# Altium PCB InsaneKeyboard.PcbDoc (part 3 of 4)
Units mil, origin at the board's own origin, x right, y up, seen from the top; angles counter-clockwise.
Board outline 7442.83 x 6333.68 mil, 2 copper layers (Top Layer, Bottom Layer), stack 61.756 mil thick; 289 components, 175 nets, 928 pads, 1143 vias.
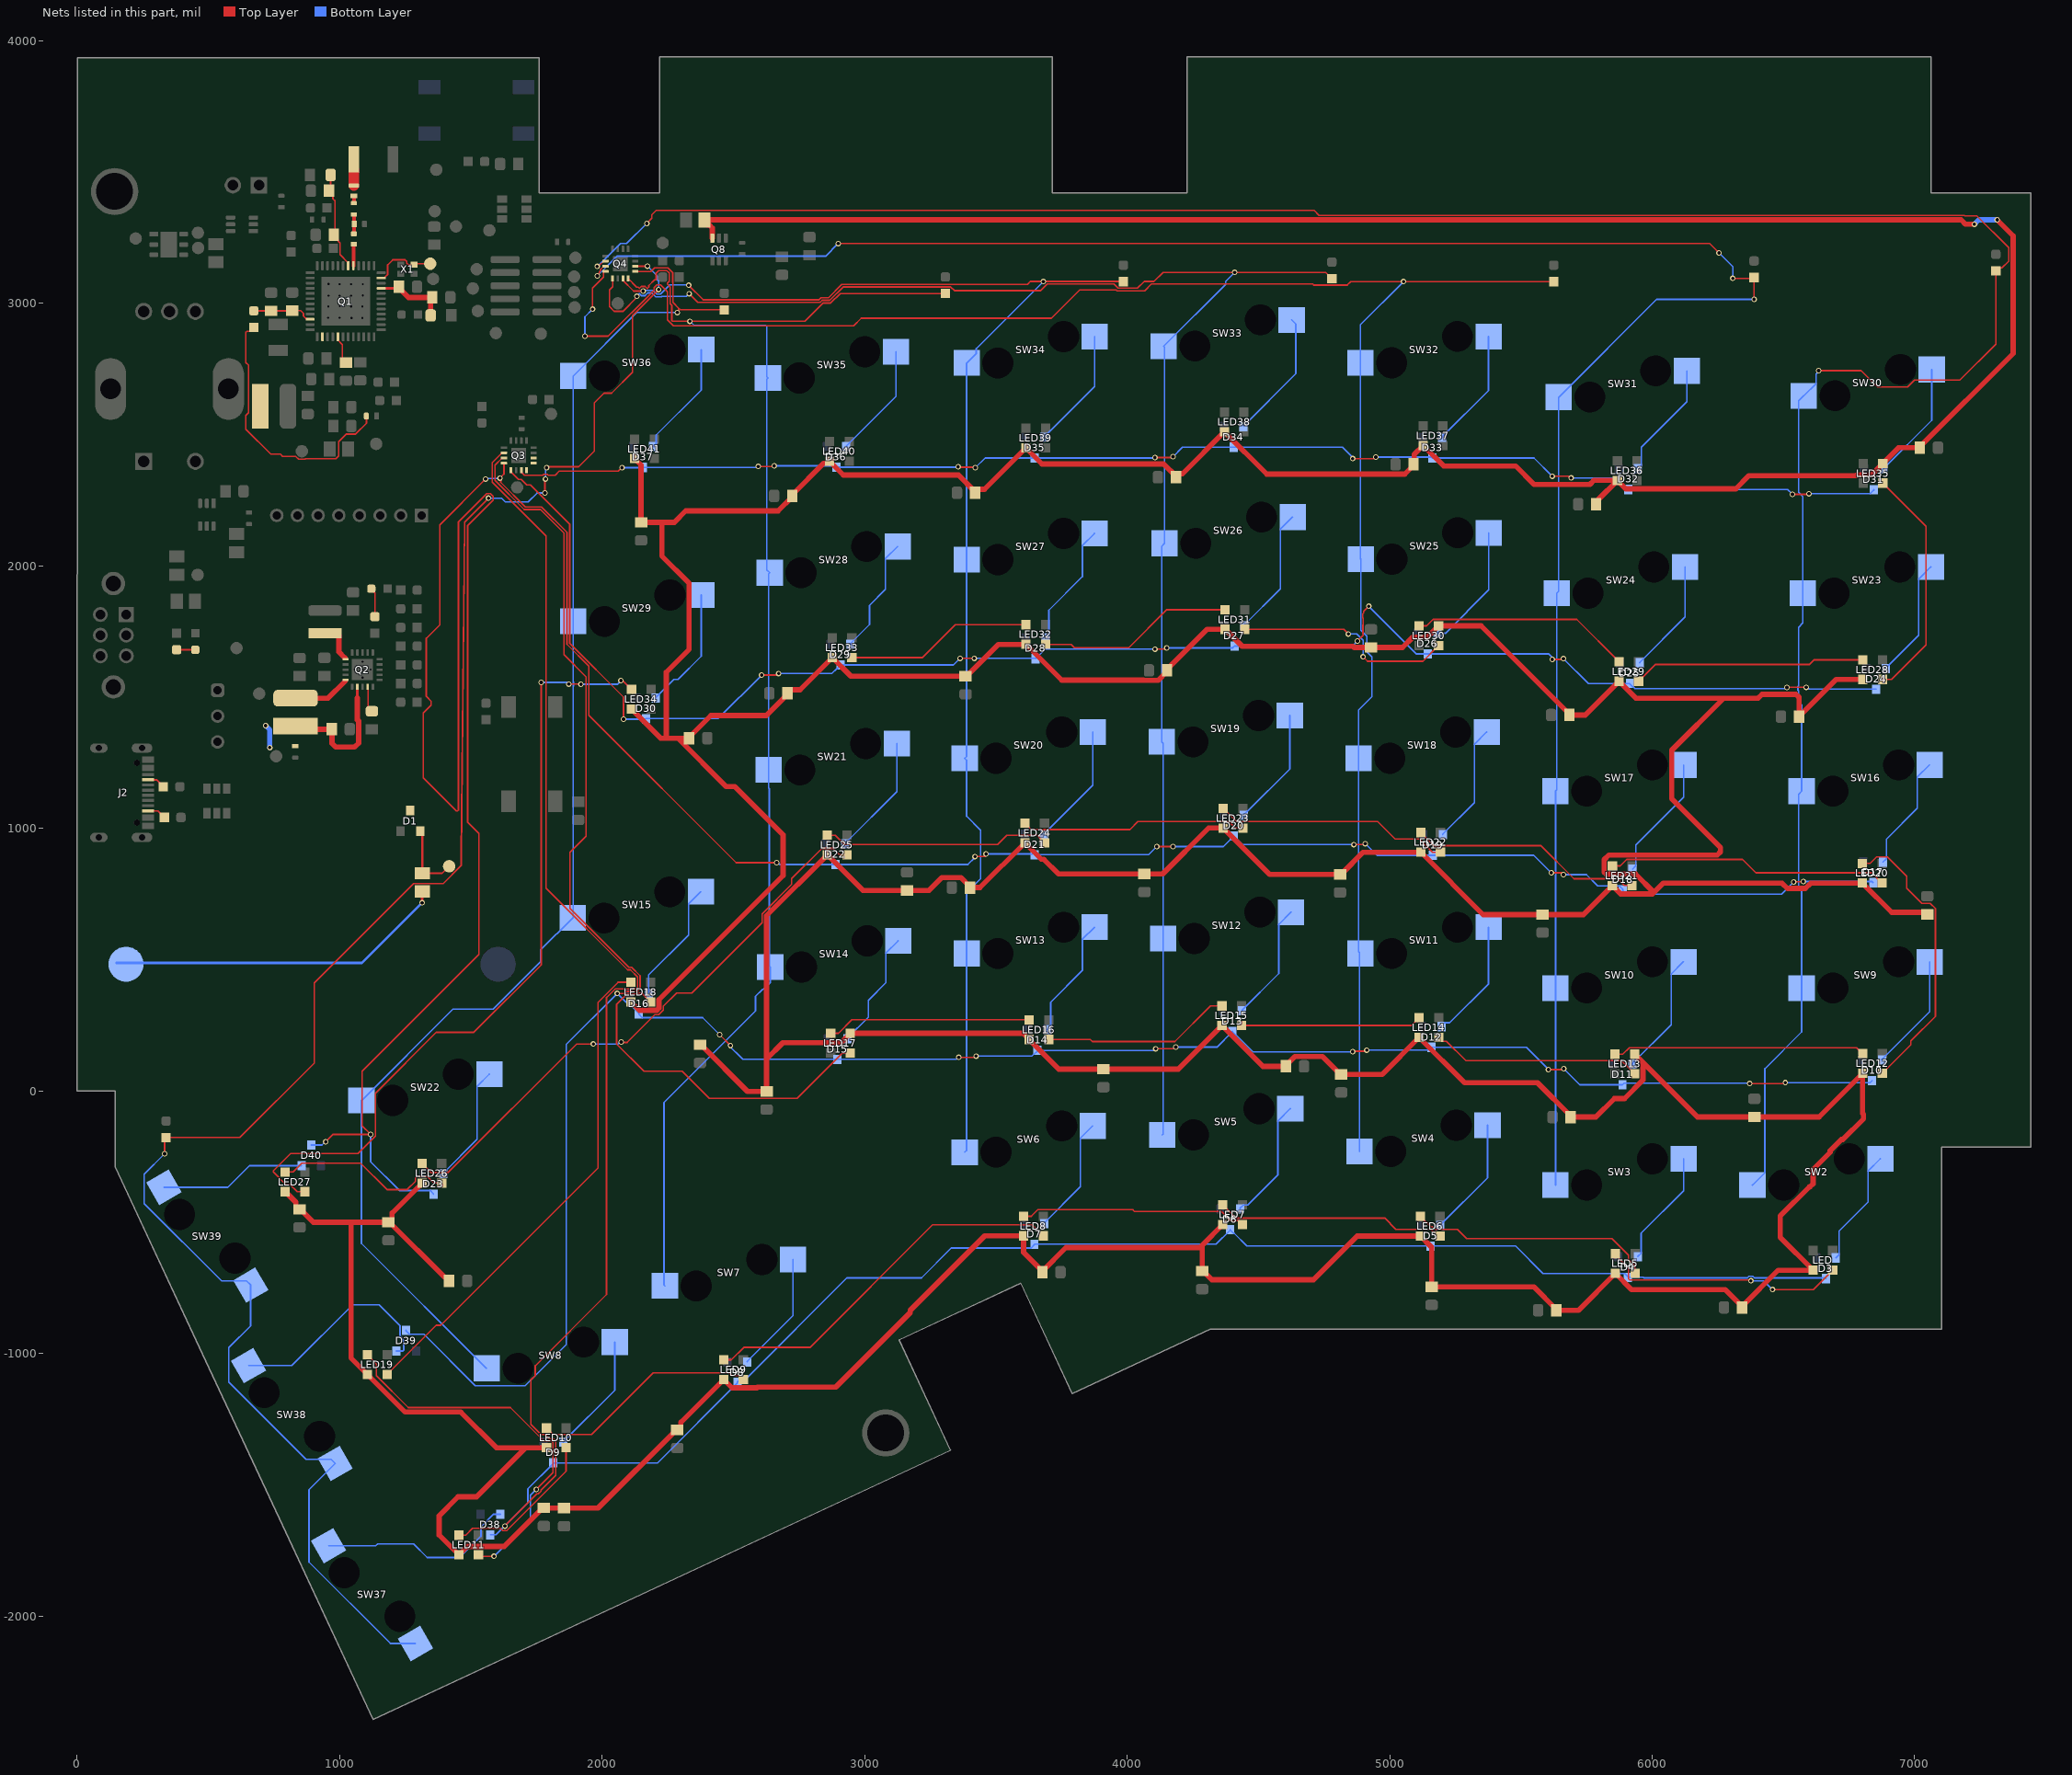
[diagram p3: the nets of this part, all layers, seen from the top]

## Via types
v1: diameter 21, hole 13, Top Layer to Bottom Layer, tented both sides, 1023 vias
v2: diameter 21, hole 13, Top Layer to Bottom Layer, 120 vias

## Nets (pads, with @x,y where several pads share a name; then routed paths per layer and width w, separated by ;. In a path a pad name is that pad's centre, name@x,y a point inside that pad or via, vN(x,y) a via of type N, cw(c..) or ccw(c..) an arc to the next point about the centre after c; other vN are vias at no path point) (continued)
HFXTAL_P: Q1.11 TP3.1 X1.1 | length 239.2
  Top Layer w6: Q1.11@1169.81,3095.69 1184.02,3109.89 1184.02,3145.73 1202.78,3164.5 1250.3,3164.5 1255.95,3158.85 1255.95,3151.65 1261.6,3146 X1.1@1284.1,3146 1288.1,3150 TP3.1@1346,3150
IO_COL_P0: Q4.2 R16.1 SW2.2 SW9.2 SW16.2 SW23.2 SW30.2 | length 9975.7
  Top Layer w6: v1(1981.82,3139.59) 1984.69,3142.46 1989.43,3142.46 2006.81,3159.84 Q4.2@2013.5,3159.84 ; v1(2170.66,3303.31) 2190.08,3322.73 2190.08,3336.39 2206.63,3352.94 4712.69,3352.94 4731.63,3334 7189.04,3334 7191.04,3332 7236.58,3332 7357.72,3210.86 7357.72,3159.72 7332.2,3134.2 7320.7,3134.2 R16.1@7309,3122.5 7309,2844.08 7171.59,2706.67 6998.98,2706.67 6973.28,2680.97 6858.15,2680.97 6796.12,2743 v2(6634,2743)
  Bottom Layer w6: v1(1981.82,3139.59) 1983.18,3139.59 2070.24,3226.64 2093.99,3226.64 v1(2170.66,3303.31) ; SW2.2@6381.91,-358.94 6382.89,-358.94 6429.1,-312.72 6429.1,83.85 6569.41,224.16 SW9.2@6569.41,391.07 6569.41,760.12 6557.5,772.02 6557.5,1129.17 SW16.2@6569.41,1141.07 6569.41,1470.21 6557.5,1482.12 6557.5,1522.75 6555.5,1524.75 6555.5,1539.25 6557.5,1541.25 6557.5,1765.04 6573.98,1781.52 SW23.2@6573.98,1895.03 6573.98,2262.78 6557.5,2279.27 6557.5,2627.54 SW30.2@6576.98,2647.02 6577.97,2647.02 6624.18,2693.24 6624.18,2729.12 6634,2738.94 v2(6634,2743)
IO_COL_P1: Q4.3 R19.1 SW3.2 SW10.2 SW17.2 SW24.2 SW31.2 | length 8580.9
  Top Layer w6: v1(1982.5,3103.75) 1982.5,3107.81 1990,3115.31 1990,3118.69 1994.69,3123.38 1994.69,3127.74 1996.42,3129.47 1996.42,3129.77 2006.81,3140.16 Q4.3@2013.5,3140.16 ; v1(2899.73,3226.62) 6218.91,3226.62 v1(6254.52,3191) ; v1(6307,3094) 6384.5,3094 R19.1@6388,3097.5 v2(6388,3014)
  Bottom Layer w6: v1(1982.5,3103.75) 2057.25,3178.5 2851.61,3178.5 v1(2899.73,3226.62) ; SW3.2@5631.9,-358.94 SW10.2@5631.9,391.07 5631.9,821.15 5633.5,822.75 5633.5,837.25 5631.9,838.85 SW17.2@5631.9,1141.07 5636.98,1146.15 SW24.2@5636.98,1895.03 5643.98,1902.03 SW31.2@5643.98,2642.03 5644.97,2642.03 6016.94,3014 v2(6388,3014) ; v1(6254.52,3191) 6307,3138.52 v1(6307,3094)
IO_COL_P2: Q4.4 R20.1 SW4.2 SW11.2 SW18.2 SW25.2 SW32.2 | length 7681.9
  Top Layer w6: v2(1935,2874) 2023.89,2874 2198.4,3048.51 2198.4,3058.65 2208.65,3068.9 2223.15,3068.9 2249.42,3042.62 2249.42,2936.69 2272.61,2913.5 2958.75,2913.5 2987.75,2942.5 3712.25,2942.5 3819.48,3049.74 3958.29,3049.74 3961.24,3046.79 4067.04,3046.79 4092.75,3072.5 4707.25,3072.5 4710.96,3068.79 4839.04,3068.79 4851.76,3081.5 R20.1@5625,3081.5 ; v2(1964.12,2977) 1964.12,3057.37 2005.97,3099.23 2005.97,3118.35 2008.09,3120.47 Q4.4@2013.5,3120.47
  Bottom Layer w6: v2(1935,2874) 1935,2947.88 v2(1964.12,2977) ; SW4.2@4884.98,-230.97 4884.98,525.99 4885.43,526.44 4881.9,529.98 SW18.2@4881.9,1266.08 4881.9,1450.37 4932.5,1500.97 4932.5,1652.64 4913.17,1671.97 4913.17,1731.27 4889.98,1754.46 SW25.2@4889.98,2025.03 4888.97,2026.04 SW32.2@4888.97,2772.92 4888.97,2917.97 v2(5053,3082)
IO_COL_P3: Q4.5 R21.1 SW5.2 SW12.2 SW19.2 SW26.2 SW33.2 | length 6421.3
  Top Layer w6: Q4.5@2040.47,3093.5 2040.47,3062.21 2028.5,3050.24 2028.5,2987.19 2047.32,2968.38 2079.38,2968.38 2133,3022 v2(2133,3026) ; v2(2332,3036) 2365.22,3002.78 2831.18,3002.78 2838.9,3010.5 2867.18,3010.5 2917.91,3061.22 3328.62,3061.22 3341.96,3047.87 3671.62,3047.87 3696.25,3072.5 3949.67,3072.5 3965.38,3056.79 4039.7,3056.79 4065.41,3082.5 4102.75,3082.5 4137.25,3117 4756.5,3117 R21.1@4780,3093.5
  Bottom Layer w6: v2(2133,3026) 2142.63,3035.63 2149.75,3028.5 2164.25,3028.5 2174.5,3038.75 2189.65,3038.75 2204.51,3023.9 2227.29,3023.9 2228.67,3025.27 2320.99,3025.27 2331.71,3036 v2(2332,3036) ; SW5.2@4133.98,-167.98 4136.98,-164.97 SW12.2@4136.98,580.03 4136.98,1323.88 SW19.2@4131.89,1328.97 4131.89,2073.93 SW26.2@4142.98,2085.02 4142.98,2832.03 SW33.2@4138.98,2836.03 4139.96,2836.03 4375.5,3071.56 4375.5,3082.72 v2(4409.78,3117)
IO_COL_P4: Q4.7 R22.1 SW6.2 SW13.2 SW20.2 SW27.2 SW34.2 | length 5494.5
  Top Layer w6: Q4.7@2079.84,3093.5 2079.84,3086.81 2120.65,3046 v2(2157,3046) ; v2(2330,3068) 2385.22,3012.78 2827.04,3012.78 2834.76,3020.5 2863.04,3020.5 2913.77,3071.22 3620.27,3071.22 3631.55,3082.5 3632,3082.5 3632.38,3082.87 3646.87,3082.87 3647.25,3082.5 3681,3082.5 3985,3082.5 R22.1@3986,3081.5
  Bottom Layer w6: v2(2157,3046) 2159.75,3048.75 2193.8,3048.75 2208.65,3033.9 2223.15,3033.9 2258.25,3069 2329,3069 v2(2330,3068) ; SW6.2@3381.89,-233.94 3388.96,-226.86 3388.96,753.95 3442.5,807.49 3442.5,992.33 3388.96,1045.87 3388.96,1259 SW20.2@3381.89,1266.08 3388.96,1273.15 SW27.2@3388.96,2022.91 ; SW27.2@3388.96,2022.91 SW34.2@3388.98,2772.03 3425.72,2808.77 3425.72,2826.72 v2(3681,3082)
IO_COL_P5: Q4.8 R23.1 SW7.2 SW14.2 SW21.2 SW28.2 SW35.2 | length 5642.8
  Top Layer w6: Q4.8@2099.53,3093.5 2132.53,3060.5 2138.25,3060.5 2142.5,3056.25 2149.75,3063.5 2164.25,3063.5 2171.64,3056.11 2172.96,3056.11 2178.4,3061.54 2178.4,3066.93 2200.37,3088.9 2205.76,3088.9 2206.79,3089.93 2206.79,3114.43 2216.08,3123.72 2246.93,3123.72 2256.22,3114.43 2256.22,3083.57 2249.42,3076.77 2249.42,3071.8 2260.21,3061 2260.21,2998.17 2265.74,2992.64 2265.74,2934.51 2269.26,2931 v2(2335,2931) 2773.55,2931 2843.04,3000.5 2871.33,3000.5 2907.33,3036.5 R23.1@3308,3036.5
  Bottom Layer w6: SW7.2@2239.98,-742.97 2235.94,-738.94 2235.94,-45.49 2585,303.57 2585,359.57 2611.61,386.18 2614.45,386.18 2641.06,412.79 SW14.2@2641.06,471 2637.02,475.04 2637.02,1150.72 2634.98,1152.77 SW21.2@2634.98,1222.03 ; v2(2335,2931) 2351.64,2914.36 2624.51,2914.36 2628.02,2910.84 2628.02,2718.83 SW35.2@2632.06,2714.79 2628.02,2710.75 2628.02,1983.84 SW28.2@2638.96,1972.91 2634.92,1968.87 SW21.2@2634.92,1222.09
IO_COL_P6: Q4.9 R24.1 SW8.2 SW15.2 SW22.2 SW29.2 SW36.2 | length 5396.3
  Top Layer w6: Q4.9@2126.5,3120.47 2186.57,3120.47 2199.81,3133.72 2251.07,3133.72 2269.78,3115.01 2269.78,3078.38 2270.21,3077.95 2270.21,3002.31 2291.76,2980.76 ; v2(2287,2964) 2291.76,2968.76 2291.76,2980.76 ; R24.1@2466,2974.5 2298.02,2974.5 2291.76,2980.76
  Bottom Layer w6: SW8.2@1560.86,-1057.05 1559.88,-1057.05 1083.98,-581.15 SW22.2@1083.98,-36.97 1084.97,-36.97 1432.47,310.53 1585.79,310.53 1766.56,491.29 1766.56,536.59 1888,658.03 SW15.2@1888.98,658.03 1890.06,659.11 1890.06,1540.31 1891.5,1541.75 1891.5,1556.25 1890.06,1557.69 SW29.2@1890.06,1787.79 SW36.2@1890.06,2722.79 1891.05,2722.79 2132.26,2964 v2(2287,2964)
IO_COL_P7: Q4.10 R25.1 SW37.2 SW38.2 SW39.2 | length 7305.7
  Top Layer w6: v2(334,-240) 334,-183.99 R25.1@340,-177.99 620.88,-177.99 904.28,105.4 904.28,410.52 1282.94,789.19 1395.5,789.19 1463.62,857.31 1463.62,892.65 1463.62,892.71 1476.98,2163.55 1477,2166 1478.73,2167.73 v1(1568,2257) ; v2(1783,2277) 1783,2328 v2(1785,2330) ; v2(1789,2373) 1791.87,2375.87 1798.87,2375.87 1799.5,2376.5 1911.09,2376.5 1971,2436.41 1971,2620 2007.73,2656.73 2036.36,2656.73 2116.75,2737.12 2116.75,2952.25 v1(2215.9,3051.4) ; Q4.10@2126.5,3140.16 2126.92,3140.58 2172.58,3140.58 v1(2173,3141)
  Bottom Layer w6: v2(334,-240) 256.77,-317.23 256.77,-430 551.18,-724.41 646.16,-724.41 SW39.2@662.03,-740.28 662.03,-894.82 578.77,-978.08 578.77,-1109 873.18,-1403.41 968.16,-1403.41 SW38.2@984.03,-1419.28 884.24,-1519.06 884.24,-1794.86 1194.52,-2105.13 SW37.2@1289.5,-2105.13 ; v1(1568,2257) 1618,2257 1632.03,2242.97 1719.1,2242.97 1753.12,2277 v2(1783,2277) ; v2(1785,2330) 1785,2369 v2(1789,2373) ; v1(2173,3141) 2210,3104 2210,3088.86 2215.9,3082.96 v1(2215.9,3051.4)
IO_ROW_P0: D3.3 D4.3 D5.3 D6.3 D7.3 D8.3 D9.3 D38.3 Q3.2 | length 10388.7
  Top Layer w6: Q3.2@1626.5,2429.84 1619.81,2429.84 1582.21,2392.25 1582.21,2318.57 1787.02,2113.76 1787.02,771.36 2097.64,460.75 2108.24,460.75 2135.26,433.72 2135.26,392.49 2131.16,388.39 2089.93,388.39 2089.82,388.5 2050.75,388.5 2017.5,355.25 2017.5,-775.93 1745.85,-1047.57 1745.85,-1084.41 1729.5,-1100.76 1729.5,-1270.83 1767.98,-1309.32 1783.84,-1309.32 1799.21,-1324.68 1813.36,-1324.68 1823.31,-1334.64 1823.31,-1464.69 1767.5,-1520.5 1767.5,-1525.25 1757.25,-1535.5 1752.5,-1535.5 v2(1630,-1658)
  Bottom Layer w6: D38.3@1575,-1691.37 1596.63,-1691.37 v2(1630,-1658) 1717.56,-1570.44 1717.56,-1516.78 1815,-1419.34 D9.3@1815,-1417.37 2211.97,-1417.37 2516,-1113.34 D8.3@2516,-1111.37 2516,-1109.4 2528.75,-1096.65 2548.6,-1096.65 2932.75,-712.5 3216.87,-712.5 3330.28,-599.09 3634.25,-599.09 3647,-586.34 D7.3@3647,-584.37 4338.97,-584.37 D6.3@4393,-530.34 ; D6.3@4393,-528.37 D6.3@4393,-530.34 ; D3.3@6662,-715.37 6659.13,-712.5 6389.25,-712.5 6383.25,-706.5 6368.75,-706.5 6362.75,-712.5 5967.75,-712.5 5965.62,-710.37 D4.3@5908,-710.37 5908,-708.4 5895.25,-695.65 5584.14,-695.65 5479.86,-591.37 D5.3@5156,-591.37 4456,-591.37 4407.72,-543.09 4405.75,-543.09 D6.3@4393,-530.34
IO_ROW_P1: D10.3 D11.3 D12.3 D13.3 D14.3 D15.3 D16.3 D39.3 Q3.3 | length 9682
  Top Layer w6: Q3.3@1626.5,2410.16 1619.81,2410.16 1592.21,2382.56 1592.21,2325.34 1703.63,2213.92 1765.82,2213.92 1855.22,2124.53 1855.22,1660.89 1939.62,1576.49 1939.62,969.87 1877.87,908.12 1877.87,694.66 2101.78,470.75 2112.38,470.75 2145.26,437.86 2145.26,388.35 2135.3,378.39 2091.15,378.39 2083.77,371 2060.83,371 v2@2059.42,372.42 ; v2(2448,214) 2448,213.58 v2(2489.31,172.27) ; v2(3358.53,127.09) v2@3421.09,127.09 ; v2(4109,160) v2@4181.77,160 ; v2(4859,149) 4861,151 4909.49,151 4913,154.51 v2(4913,155) ; v2(5605,81) 5660,81 v2(5663,84) ; v2(6371.62,27.55) 6503.55,27.55 v2(6507,31)
  Bottom Layer w6: D39.3@1254,-912.63 1254,-914.6 1266.75,-927.35 1321.85,-927.35 1517.61,-1123.1 1707.16,-1123.1 1863.74,-966.52 1863.74,176.74 v2(2058,371) 2091.25,337.75 2098.08,337.75 2140.6,295.23 D16.3@2140.6,293.26 2140.6,291.29 2153.35,278.54 2383.46,278.54 v2(2448,214) ; v2(2489.31,172.27) 2486.58,175 2481,175 2536.37,119.63 D15.3@2897,119.63 3348.63,119.63 3357,128 3357.62,128 v2(3358.53,127.09) ; v2(3425,132) 3637.37,132 3644.28,138.91 3646.25,138.91 3659,151.66 D14.3@3659,153.63 v2@4103.63,153.63 ; v2(4185.29,166.21) 4342.55,166.21 D13.3@4401,224.66 ; D13.3@4401,226.63 D13.3@4401,224.66 ; v2(4859,149) 4858,149 4857,148 4479.63,148 4415.72,211.91 4413.75,211.91 D13.3@4401,224.66 ; v2(4913,155) 5149.37,155 D12.3@5160,165.63 5520.37,165.63 v2(5605,81) ; v2(5663,84) 5724.37,22.63 D11.3@5887,22.63 5893.37,29 6373.07,29 v2(6371.62,27.55) ; v2(6507,31) 6830.37,31 D10.3@6838,38.63
IO_ROW_P2: D17.3 D18.3 D19.3 D20.3 D21.3 D22.3 D23.3 D40.3 Q3.4 | length 12533.7
  Top Layer w6: v2(948,-194) 976,-166 v2(1119,-166) 1086.41,-133.41 1086.41,74.42 1531.17,519.18 1531.17,633.68 1531.17,979.5 1488.73,1021.94 1488.73,2152.98 1585.5,2249.75 1585.5,2264.25 1575.25,2274.5 1560.75,2274.5 1453.62,2167.37 1453.62,1069.05 1450.11,1065.54 1445.14,1065.54 1319.03,1191.65 1319.03,1439.28 1349,1469.25 1349,1483.75 1331.11,1501.64 1331.11,1723.22 1382.03,1774.14 1382.03,2155.38 v1(1556.64,2330) ; Q3.4@1626.5,2390.47 1626.5,2348.5 v1(1611.52,2333.52) 1614.39,2330.65 1614.39,2317.31 1707.77,2223.92 1769.97,2223.92 1866.87,2127.03 1866.87,1700.52 1949.62,1617.76 1949.62,1430.63 2511.25,869 v2(2665.5,869) ; v2(3421.01,891.99) v2@3461.01,891.99 ; v2(4113,930) 4113.07,929.93 4174.6,929.93 v2(4174.67,929.86) ; v2(4863.73,937.91) 4903.91,937.91 v2(4907,941) ; v2(5616,830) 5658.49,830 5662,826.49 v2(5662,823) ; v2(6539,795) 6540.15,796.15 6574.55,796.15 v2(6575.7,797.3)
  Bottom Layer w6: D40.3@893,-206.63 933.05,-206.63 945.68,-194 v2(948,-194) ; v2(1119,-166) 1119,-270 1228.65,-379.65 1345.25,-379.65 1358,-392.4 D23.3@1358,-394.37 ; v1(1556.64,2330) 1558.4,2331.76 1609.76,2331.76 v1(1611.52,2333.52) ; v2(2665.5,869) 2669.56,869 2676.93,861.63 D22.3@2889,861.63 3393.63,861.63 3421.01,889.01 v2(3421.01,891.99) ; v2(3463,902) 3645.21,902 D21.3@3648.05,899.16 4082.16,899.16 v2(4113,930) ; v2(4174.67,929.86) 4366.75,929.86 4392.33,955.44 4394.3,955.44 D20.3@4407.05,968.19 ; D20.3@4407.05,970.16 D20.3@4407.05,968.19 ; v2(4863.73,937.91) 4863.83,938 4439.21,938 4421.77,955.44 4419.8,955.44 D20.3@4407.05,968.19 ; v2(4907,941) 4951.37,896.63 D19.3@5165,896.63 5549.37,896.63 v2(5616,830) ; v2(5662,823) 5749.38,823 5792.03,780.35 5875.25,780.35 5888,767.6 D18.3@5888,765.63 5888,763.66 5900.75,750.91 5979.11,750.91 5980.89,749.13 6493.13,749.13 v2(6539,795) ; v2(6575.7,797.3) 6837.33,797.3 D17.3@6842,792.63
IO_ROW_P3: D24.3 D25.3 D26.3 D27.3 D28.3 D29.3 D30.3 Q3.5 | length 6293.3
  Top Layer w6: Q3.5@1653.47,2363.5 1653.47,2356.81 1681.66,2328.62 1692.75,2328.62 1713.37,2308 1727.25,2308 1876.87,2158.39 1876.87,1704.66 2082.03,1499.5 v2(2082,1415) ; v2(2608,1583) 2667,1583 v2(2673,1589) ; v2(3364,1647) v2(3418,1647) ; v2(4106,1682) 4147.49,1682 4151,1685.51 v2(4151,1687) ; v2(4877.05,1713.05) 4899,1735 4899,1740.01 4898.38,1740.63 4898.38,1774.27 4899,1774.89 4899,1800.25 4897.5,1801.75 4897.5,1816.25 4901.13,1819.87 4901.13,1826.31 v2(4920.26,1845.45) ; v2(5619.17,1643.12) 5659.12,1643.12 v2(5662,1646) ; v2(6513,1536) 6513.77,1536.77 v2(6586.84,1536.77)
  Bottom Layer w6: v2(2082,1415) 2165.37,1415 D30.3@2168,1417.63 2442.63,1417.63 v2(2608,1583) ; v2(2673,1589) 2875.37,1589 2893.28,1606.91 2895.25,1606.91 2908,1619.66 D29.3@2908,1621.63 3338.63,1621.63 v2(3364,1647) ; v2(3418,1647) D28.3@3650.63,1647 ; D28.3@3652,1645.63 3652,1647.6 3664.75,1660.35 3666.72,1660.35 3688.37,1682 v2(4106,1682) ; v2(4151,1687) 4402.37,1687 D27.3@4409,1693.63 4858.63,1693.63 4877.05,1712.05 v2(4877.05,1713.05) ; v2(4920.26,1845.45) 5102.08,1663.63 D26.3@5145,1663.63 5606.37,1663.63 5623,1647 5619.17,1643.17 v2(5619.17,1643.12) ; v2(5662,1646) 5756.84,1551.16 D25.3@5915.05,1551.16 5915.05,1549.19 5927.8,1536.44 5929.77,1536.44 5934.71,1531.5 6504.44,1531.5 6508.94,1536 v2(6513,1536) ; v2(6586.84,1536.77) 6590.89,1536.77 6598.03,1529.63 D24.3@6853,1529.63
IO_ROW_P4: D31.3 D32.3 D33.3 D34.3 D35.3 D36.3 D37.3 Q3.7 | length 5318.6
  Top Layer w6: Q3.7@1692.84,2363.5 1692.84,2356.81 1704.96,2344.69 1774.94,2344.69 1777.75,2347.5 1792.25,2347.5 1795.06,2344.69 1822.14,2344.69 1837.07,2359.63 2061.79,2359.63 2075.16,2373 v2(2076,2373) ; v2(2595.33,2378.1) 2654.1,2378.1 v2(2656,2380) ; v2(3356.7,2376.7) 3358.56,2374.85 3420.15,2374.85 v2(3422,2373) ; v2(4106.2,2412.06) 4172.06,2412.06 v2(4175,2415) ; v2(4859.08,2407.39) 4944.39,2407.39 4950.62,2413.62 v2(4947.75,2413.62) ; v2(5619.16,2340.81) 5680.13,2340.81 5686.94,2334 v2(5691,2334) ; v2(6534,2272) 6595,2272 v2(6597,2274)
  Bottom Layer w6: v2(2076,2373) 2155.14,2373 D37.3@2156.4,2374.26 2590.26,2374.26 2595,2379 2595.33,2378.67 v2(2595.33,2378.1) ; v2(2656,2380) 2887.63,2380 D36.3@2893,2374.63 3354.63,2374.63 v2(3356.7,2376.7) ; v2(3422,2373) 3459.16,2410.16 D35.3@3648.05,2410.16 4104.16,2410.16 4106.2,2412.2 v2(4106.2,2412.06) ; v2(4175,2415) 4211.16,2451.16 D34.3@4406.05,2451.16 4819.84,2451.16 4862,2409 4860.69,2409 v2(4859.08,2407.39) ; v2(4947.75,2413.62) 5159.59,2413.62 D33.3@5163.05,2410.16 5549.81,2410.16 v2(5619.16,2340.81) ; v2(5691,2334) 5865.21,2334 5894.33,2304.88 5896.3,2304.88 5909.05,2292.13 D32.3@5909.05,2290.16 6515.84,2290.16 v2(6534,2272) ; v2(6597,2274) 6828.37,2274 6829.28,2274.91 6831.25,2274.91 6844,2287.66 D31.3@6844,2289.63
IO_ROW_P5: Q3.8
IO_ROW_P6: Q3.9
IO_ROW_P7: Q3.10
LED_PWR: C30.1 C31.1 C32.1 C33.1 C34.1 C35.1 C36.1 C37.1 C38.1 C39.1 C40.1 C41.1 C42.1 C43.1 C44.1 C45.1 C46.1 C47.1 C48.1 C49.1 C50.1 C51.1 C52.1 C53.1 C54.1 C55.1 C56.1 C57.1 C58.1 C59.1 C60.1 C61.1 C62.1 C63.1 C64.1 C65.1 C66.1 C67.1 C68.1 LED5.2-VDD LED6.2-VDD LED7.2-VDD LED8.2-VDD LED9.2-VDD LED10.2-VDD LED11.2-VDD LED12.2-VDD LED13.2-VDD LED14.2-VDD LED15.2-VDD LED16.2-VDD LED17.2-VDD LED18.2-VDD LED19.2-VDD LED20.2-VDD LED21.2-VDD LED22.2-VDD LED23.2-VDD LED24.2-VDD LED25.2-VDD LED26.2-VDD LED27.2-VDD LED28.2-VDD LED29.2-VDD LED30.2-VDD LED31.2-VDD LED32.2-VDD LED33.2-VDD LED34.2-VDD LED35.2-VDD LED36.2-VDD LED37.2-VDD LED38.2-VDD LED39.2-VDD LED40.2-VDD LED41.2-VDD LED.2-VDD Q8.6 | length 42901.6
  Top Layer w20: LED27.2-VDD@793.72,-384.22 834.38,-424.87 834.38,-441.87 844.06,-451.55 C56.1@848,-451.55 851.94,-451.55 900.94,-500.55 1043.97,-500.55 ; LED26.2-VDD@1314.6,-351.4 1200.62,-465.38 1200.62,-490.87 C51.1@1190.94,-500.55 ; C55.1@1417.55,-724 1417.55,-720.06 1407.87,-710.38 1400.76,-710.38 C51.1@1190.94,-500.55 ; LED10.2-VDD@1788.6,-1359.4 1709.92,-1359.4 ; LED18.2-VDD@2110.54,338.3 2142.26,306.59 2208.86,306.59 2217.06,314.79 2217.06,347.06 2690,820 2690,974.65 2505.82,1158.82 2472.73,1158.82 2288.55,1343 ; LED34.2-VDD@2112.6,1453.6 2223.2,1343 2245,1343 ; LED41.2-VDD@2124.6,2407.6 2149,2383.2 C38.1@2149,2165 2228,2165 ; C54.1@2373,174.9 2376.94,174.9 2554.39,-2.55 C53.1@2627,-2.55 2627,121 ; Q8.6@2420.41,3247.31 2420.41,3286.24 2408.58,3298.06 2402.48,3298.06 2389.65,3310.9 C30.1@2389.65,3317 7176.5,3317 7193.02,3300.48 7226.81,3300.48 v2(7227,3300.29) ; C36.1@3421.28,2277.48 C36.1@3421.28,2281.42 ; C67.1@3677.55,-691 C67.1@3677.55,-687.06 ; C35.1@4186.21,2336.78 C35.1@4186.21,2340.72 ; LED7.2-VDD@4364.6,-509.4 4286,-588 ; C33.1@5786.45,2234 5796.13,2243.69 5796.13,2253.13 LED36.2-VDD@5867.6,2324.6 ; LED13.2-VDD@5933.4,139.4 5965.12,107.68 ; 6006.36,755.64 5937.31,824.69 5825.08,824.69 5816.88,832.89 5816.88,879.92 5835.08,898.12 6248.24,898.12 6259.96,909.83 6259.96,926.4 6074.5,1111.86 6074.5,1296.86 6272.89,1495.25 ; C59.1@6342.45,-825 C59.1@6342.45,-821.06 ; C31.1@6559.45,1425 6559.45,1438.62 6559.45,1498.28 6547.73,1510 6418.46,1510 6403.71,1495.25 6272.89,1495.25 ; C31.1@6569.13,1438.62 6573.07,1438.62 6701.05,1566.6 LED28.2-VDD@6802.6,1566.6 ; C47.1@7048,672 7040.5,679.5 6912.23,679.5 LED20.2-VDD@6800.59,791.13 6604.18,791.13 6583.54,770.5 6514.95,770.5 6494.31,791.13 6041.85,791.13 6000.6,749.88 5880.31,749.88 LED21.2-VDD@5848.6,781.6 5738.23,671.23 C48.1@5582.51,671.23 5355.97,671.23 LED22.2-VDD@5118.6,908.6 4899.54,908.6 4814.94,824 C49.1@4811,824 4543.2,824 LED23.2-VDD@4366.6,1000.6 4310.41,1000.6 4135.81,826 C50.1@4066,826 3738.65,826 3683.21,881.44 3673.76,881.44 LED24.2-VDD@3610.6,944.6 3440,774 C39.1@3401.45,774 3401.45,777.94 3367.76,811.62 3294.04,811.62 3245.41,763 C40.1@3162,763 2994.2,763 LED25.2-VDD@2858.6,898.6 2627,667 2627,121 ; v2(7314,3317) 7374.72,3256.28 7374.72,2808.1 7019.55,2452.94 C32.1@7019.55,2449 6938,2449 LED35.2-VDD@6878.4,2389.4 6835.31,2346.31 6780.08,2346.31 6776.77,2343 6368.79,2343 6318.67,2292.88 5899.31,2292.88 LED36.2-VDD@5867.6,2324.6 ; 1043.97,-500.55 C51.1@1187,-500.55 C51.1@1190.94,-500.55 ; 1043.97,-500.55 1043.97,-1017.77 LED19.2-VDD@1106.6,-1080.4 1249.96,-1223.76 1461.96,-1223.76 1597.6,-1359.4 1709.92,-1359.4 ; 1709.92,-1359.4 1522.68,-1546.63 1451.72,-1546.63 1379.5,-1618.85 1379.5,-1692.3 LED11.2-VDD@1454.6,-1767.4 1486.31,-1735.68 1627.93,-1735.68 1775.06,-1588.55 C61.1@1779,-1588.55 1779.5,-1589.05 1855.5,-1589.05 C68.1@1856,-1589.55 1985.06,-1589.55 2283.06,-1291.55 C57.1@2287,-1291.55 2290.94,-1291.55 2300.62,-1281.87 2300.62,-1262.38 LED9.2-VDD@2463.6,-1099.4 2495.31,-1131.12 2589.73,-1131.12 2592.48,-1128.37 2890.42,-1128.37 3174.13,-844.66 3174.13,-836.22 3457.84,-552.52 LED8.2-VDD@3605.91,-552.52 3605.91,-615.43 C67.1@3677.55,-687.06 ; 2228,2165 2275.35,2165 2319.04,2208.69 2671.07,2208.69 2724.45,2262.06 C37.1@2724.45,2266 2724.45,2269.94 2844.39,2389.88 2858.88,2389.88 LED40.2-VDD@2866.6,2397.6 2919.2,2345 3357.7,2345 C36.1@3421.28,2281.42 ; 2228,2165 2228,2036.65 2332.06,1932.59 2332.06,1681.32 2245,1594.27 2245,1343 ; 2245,1343 2288.55,1343 ; 2288.55,1343 C41.1@2332.1,1343 2332.1,1346.94 2414.67,1429.5 2625.89,1429.5 2706.45,1510.06 C42.1@2706.45,1514 2706.45,1517.94 2716.13,1527.62 2754.44,1527.62 LED33.2-VDD@2877.02,1650.2 2948.22,1579 C43.1@3385,1579 3388.94,1579 3510.22,1700.28 LED32.2-VDD@3614.81,1700.28 3750.89,1564.2 4063.01,1564.2 4063.83,1563.38 4118.76,1563.38 4152.45,1597.06 C44.1@4152.45,1601 4152.45,1604.94 4305.11,1757.6 LED31.2-VDD@4373.6,1757.6 4438.7,1692.5 4861.15,1692.5 4865.1,1688.55 C45.1@4929,1688.55 5049.17,1688.55 5088.24,1727.63 5143.47,1727.63 LED30.2-VDD@5186.56,1770.71 5348.67,1770.71 5684.45,1434.94 C46.1@5684.45,1431 5745,1431 LED29.2-VDD@5873.6,1559.6 5937.94,1495.25 6272.89,1495.25 ; 2627,121 2689,183 2910.05,183 LED17.2-VDD@2945.89,218.84 3603.7,218.84 LED16.2-VDD@3627.15,195.39 3740.09,82.45 C52.1@3910,82.45 4195.45,82.45 LED15.2-VDD@4361.6,248.6 4517.2,93 C58.1@4605.1,93 4605.1,96.94 4638.79,130.62 4743.89,130.62 4812.06,62.45 C65.1@4816,62.45 4971.36,62.45 LED14.2-VDD@5112.26,203.34 5285.1,30.5 5562.89,30.5 5689.45,-96.06 C62.1@5689.45,-100 5785.35,-100 5855.89,-29.46 5894.58,-29.46 5965.12,41.08 5965.12,107.68 ; C36.1@3421.28,2281.42 3430.96,2291.11 3457.11,2291.11 LED39.2-VDD@3614.6,2448.6 3675.64,2387.56 4139.37,2387.56 C35.1@4186.21,2340.72 ; C67.1@3677.55,-687.06 3767.37,-597.25 4276.75,-597.25 4286,-588 ; C35.1@4186.21,2340.72 4195.9,2350.41 4211.41,2350.41 LED38.2-VDD@4370.6,2509.6 4531.82,2348.38 5057.76,2348.38 5091.45,2382.06 C34.1@5091.45,2386 5093.66,2388.21 5093.66,2423.66 LED37.2-VDD@5127.6,2457.6 5205.51,2379.69 5480.06,2379.69 5550.25,2309.5 5762.82,2309.5 5777.92,2324.6 LED36.2-VDD@5867.6,2324.6 ; 4286,-588 C66.1@4286,-686.55 4289.94,-686.55 4322.89,-719.5 4710.15,-719.5 4876.65,-553 LED6.2-VDD@5116.91,-553 5160,-596.09 C64.1@5160,-746.55 5548.94,-746.55 5634.45,-832.06 C63.1@5634.45,-836 5719.63,-836 LED5.2-VDD@5859.91,-695.72 5921.6,-757.41 6278.79,-757.41 C59.1@6342.45,-821.06 ; 5965.12,107.68 6172.25,-99.45 C60.1@6389,-99.45 6635.55,-99.45 LED12.2-VDD@6801.6,66.6 6801.6,-86.68 6805.17,-90.26 6805.17,-106.83 6726.12,-185.88 6720.58,-185.88 6677.79,-228.68 6677.79,-234.21 6612.6,-299.4 6612.6,-354.52 6600.88,-366.23 6598.59,-366.23 6488,-476.82 6488,-558.8 LED.2-VDD@6612.6,-683.4 6480.11,-683.4 C59.1@6342.45,-821.06
  Bottom Layer w20: v2(7227,3300.29) 7227.27,3300.29 7243.98,3317 v2(7314,3317)
NetATT1_0: ATT1.FEED L2.2 | length 91.5
  Top Layer w14: ATT1.FEED@1054.5,3539 1054.5,3505.5 ATT1.FEED@1055,3505
  Top Layer w40: L2.2@1055,3447.69 ATT1.FEED@1055,3505
NetBT2_P: BT2.P C23.2 | length 1330.2
  Top Layer w6: C23.2@1315,758.35 C23.2@1316,759.35 C23.2@1335.83,739.52
  Top Layer w10: v2(1315,716) C23.2@1315,758.35
  Bottom Layer w10: BT2.P@151.44,487 1086,487 v2(1315,716)
NetC1_1: C1.1 L1.2 R1.1 | length 74.5
  Top Layer w14: L1.2@1055,3263.69 1055.66,3264.34 1055.66,3300.34 C1.1@1056.32,3301 1055.66,3301.66 1055.66,3336.5 R1.1@1056.25,3337.09
NetC2_1: C2.1 C3.1 L3.2 Q1.9 | length 283.5
  Top Layer w6: C2.1@1224.8,3056.31 C2.1@1226.55,3058.06 ; C3.1@1347.63,3016.08 C3.1@1353.55,3022 C3.1@1352.55,3021
  Top Layer w10: Q1.9@1158,3056.31 C2.1@1224.8,3056.31
  Top Layer w20: C2.1@1226.55,3058.06 1263.61,3021 C3.1@1352.55,3021 ; L3.2@1347.63,2953 C3.1@1347.63,3016.08
NetC4_1: C4.1 C5.1 L4.2 Q1.18 | length 384.5
  Top Layer w6: L4.2@966.37,3488 966.37,3432.92 960.95,3427.5 C4.1@960.45,3428 960.45,3427 975.45,3412 975.45,3397.38 982.64,3390.19 982.64,3262.19 979.45,3259 C5.1@978.45,3260 978.45,3258 995.13,3241.31 995.13,3235.69 1002.21,3228.62 1002.21,3184.54 1032.61,3154.15 Q1.18@1032.61,3142.34
NetC10_1: C10.1 C11.1 Q1.34 R5.2 | length 233.2
  Top Layer w6: R5.2@674,2970.5 739.94,2970.5 C10.1@740,2970.55 819.45,2970.55 C11.1@820,2971.1 852.62,2971.1 863.11,2960.62 863.11,2950.81 875.72,2938.2 Q1.34@887.53,2938.2
NetC12_1: C12.1 Q1.41 | length 99.8
  Top Layer w6: Q1.41@993.24,2860.05 1011.36,2841.93 1011.36,2787.09 C12.1@1025,2773.45
NetC17_1: C17.1 D1.3 L8.1 Q2.2 R13.1 | length 617.4
  Top Layer w10: Q2.2@1068.31,1539.04 1068.41,1538.95 1068.41,1496.09
  Top Layer w20: L8.1@833,1389 845.09,1376.91 C17.1@970.45,1376.91 971.15,1376.91 972,1376.06 972,1323.29 986.29,1309 1057.65,1309 1073.03,1324.38 1073.03,1407.93 1068.41,1412.55 1068.41,1496.09
  Bottom Layer w20: v1(719,1391) 719,1390.73 734.8,1374.93 v1(734.8,1307.19)
NetC18_2: C18.2 Q2.4 | length 100.3
  Top Layer w6: Q2.4@1107.68,1539.04 1109.41,1537.31 1109.41,1459.9 C18.2@1123.86,1445.45
NetC23_1: C23.1 D1.1 TP15.1 | length 278.2
  Top Layer w6: D1.1@1307.4,988.63 1310.4,985.63 1313.4,985.63 D1.1@1316,983.03 ; C23.1@1316,828.65 1391.65,828.65 TP15.1@1418,855
  Top Layer w10: C23.1@1316,828.65 D1.1@1316,983.03
NetD3_1: D3.1 SW2.1 | length 448.8
  Bottom Layer w6: D3.1@6699.4,-636.63 6712.15,-623.88 6712.15,-534.27 6822.58,-423.83 6822.58,-305.15 6868.8,-258.94 SW2.1@6869.78,-258.94
NetD4_1: D4.1 SW3.1 | length 444.9
  Bottom Layer w6: D4.1@5945.4,-631.63 5958.15,-618.88 5958.15,-541.84 6119.78,-380.22 SW3.1@6119.78,-258.94
NetD5_1: D5.1 SW4.1 | length 456
  Bottom Layer w6: D5.1@5193.4,-512.63 5193.4,-510.66 5372.86,-331.21 SW4.1@5372.86,-130.97
NetD6_1: D6.1 SW5.1 | length 471.3
  Bottom Layer w6: D6.1@4430.4,-449.63 4430.4,-447.66 4443.15,-434.91 4459.84,-434.91 4574.66,-320.09 4574.66,-114.19 4620.87,-67.98 SW5.1@4621.85,-67.98
NetD7_1: D7.1 SW6.1 | length 449
  Bottom Layer w6: D7.1@3684.4,-505.63 3684.4,-503.66 3822.56,-365.5 3822.56,-180.15 3868.78,-133.94 SW6.1@3869.76,-133.94
NetD8_1: D8.1 SW7.1 | length 461.9
  Bottom Layer w6: D8.1@2553.4,-1032.63 2553.4,-1030.66 2727.86,-856.21 SW7.1@2727.86,-642.97
NetD9_1: D9.1 SW8.1 | length 462.9
  Bottom Layer w6: D9.1@1852.4,-1338.63 1852.4,-1336.66 2048.74,-1140.33 SW8.1@2048.74,-957.05
NetD10_1: D10.1 SW9.1 | length 449
  Bottom Layer w6: D10.1@6875.4,117.37 6875.4,119.34 7057.28,301.22 SW9.1@7057.28,491.07
NetD11_1: D11.1 SW10.1 | length 471.2
  Bottom Layer w6: D11.1@5924.4,101.37 5924.4,103.34 6072.58,251.52 6072.58,444.86 6118.79,491.07 SW10.1@6119.78,491.07
NetD12_1: D12.1 SW11.1 | length 463.8
  Bottom Layer w6: D12.1@5197.4,244.37 5197.4,246.34 5210.15,259.09 5228.84,259.09 5376.85,407.1 SW11.1@5376.85,622.9
NetD13_1: D13.1 SW12.1 | length 452.5
  Bottom Layer w6: D13.1@4438.4,305.37 4438.4,307.34 4577.66,446.59 4577.66,633.81 4623.87,680.03 SW12.1@4624.85,680.03
NetD14_1: D14.1 SW13.1 | length 465.8
  Bottom Layer w6: D14.1@3696.4,232.37 3709.15,245.12 3709.15,337.52 3829.64,458.01 3829.64,576.69 3875.85,622.9 SW13.1@3876.83,622.9
NetD15_1: D15.1 SW14.1 | length 453.8
  Bottom Layer w6: D15.1@2934.4,198.37 2934.4,200.34 3014.44,280.38 3014.44,344.19 3081.74,411.49 3081.74,524.79 3127.95,571 SW14.1@3128.94,571
NetD16_1: D16.1 SW15.1 | length 469
  Bottom Layer w6: D16.1@2178,372 2178,441.47 2329.66,593.13 2329.66,711.81 2375.87,758.03 SW15.1@2376.86,758.03
NetD17_1: D17.1 SW16.1 | length 444
  Bottom Layer w6: D17.1@6879.4,871.37 6892.15,884.12 6892.15,958.24 7010.09,1076.18 7010.09,1194.86 7056.3,1241.07 SW16.1@7057.28,1241.07
NetD18_1: D18.1 SW17.1 | length 477.2
  Bottom Layer w6: D18.1@5925.4,844.37 5938.15,857.12 5938.15,936.16 6119.78,1117.79 SW17.1@6119.78,1241.07
NetD19_1: D19.1 SW18.1 | length 460.6
  Bottom Layer w6: D19.1@5202.4,975.37 5202.4,977.34 5322.57,1097.51 5322.57,1319.86 5368.79,1366.08 SW18.1@5369.77,1366.08
NetD20_1: D20.1 SW19.1 | length 453.4
  Bottom Layer w6: D20.1@4444.45,1048.9 4444.45,1050.87 4457.2,1063.62 4458.36,1063.62 4619.76,1225.02 SW19.1@4619.76,1428.97
NetD21_1: D21.1 SW20.1 | length 464.5
  Bottom Layer w6: D21.1@3685.45,977.9 3685.45,979.87 3869.76,1164.18 SW20.1@3869.76,1366.08
NetD22_1: D22.1 SW21.1 | length 463
  Bottom Layer w6: D22.1@2926.4,940.37 2926.4,942.34 3122.86,1138.79 SW21.1@3122.86,1322.03
NetD23_1: D23.1 SW22.1 | length 452.3
  Bottom Layer w6: D23.1@1395.4,-315.63 1395.4,-313.66 1524.66,-184.4 1524.66,16.81 1570.87,63.03 SW22.1@1571.86,63.03
NetD24_1: D24.1 SW23.1 | length 458.3
  Bottom Layer w6: D24.1@6890.4,1608.37 6890.4,1610.34 7014.66,1734.6 7014.66,1948.81 7060.87,1995.03 SW23.1@7061.86,1995.03
NetD25_1: D25.1 SW24.1 | length 436.5
  Bottom Layer w6: D25.1@5952.45,1629.9 5952.45,1631.87 6124.86,1804.27 SW24.1@6124.86,1995.03
NetD26_1: D26.1 SW25.1 | length 481
  Bottom Layer w6: D26.1@5182.4,1742.37 5212.12,1742.37 5377.85,1908.11 SW25.1@5377.85,2125.03
NetD27_1: D27.1 SW26.1 | length 489.6
  Bottom Layer w6: D27.1@4446.4,1772.37 4446.4,1774.34 4583.66,1911.59 4583.66,2138.81 4629.87,2185.02 SW26.1@4630.85,2185.02
NetD28_1: D28.1 SW27.1 | length 476.8
  Bottom Layer w6: D28.1@3689.4,1724.37 3702.15,1737.12 3702.15,1830.53 3829.64,1958.02 3829.64,2076.7 3875.85,2122.91 SW27.1@3876.83,2122.91
NetD29_1: D29.1 SW28.1 | length 448.3
  Bottom Layer w6: D29.1@2945.4,1700.37 2945.4,1702.34 3018.89,1775.83 3018.89,1848.64 3079.63,1909.38 3079.63,2026.7 3125.85,2072.91 SW28.1@3126.83,2072.91
NetD30_1: D30.1 SW29.1 | length 472.1
  Bottom Layer w6: D30.1@2205.4,1496.37 2205.4,1498.34 2273.56,1566.5 2289.25,1566.5 2377.94,1655.19 SW29.1@2377.94,1887.79
NetD31_1: D31.1 SW30.1 | length 454.6
  Bottom Layer w6: D31.1@6881.4,2368.37 6881.4,2370.34 7064.86,2553.79 SW30.1@7064.86,2747.02
NetD32_1: D32.1 SW31.1 | length 449.9
  Bottom Layer w6: D32.1@5946.45,2368.9 5959.2,2381.65 5959.2,2451.67 6131.86,2624.33 SW31.1@6131.86,2742.03
NetD33_1: D33.1 SW32.1 | length 457.1
  Bottom Layer w6: D33.1@5200.45,2488.9 5200.45,2490.87 5376.85,2667.26 SW32.1@5376.85,2872.92
NetD34_1: D34.1 SW33.1 | length 495.1
  Bottom Layer w6: D34.1@4443.45,2529.9 4443.45,2531.87 4642.5,2730.92 4642.5,2920.38 SW33.1@4626.85,2936.03
NetD35_1: D35.1 SW34.1 | length 462.4
  Bottom Layer w6: D35.1@3685.45,2488.9 3685.45,2490.87 3876.86,2682.27 SW34.1@3876.86,2872.03
NetD36_1: D36.1 SW35.1 | length 439.9
  Bottom Layer w6: D36.1@2930.4,2453.37 2930.4,2455.34 3119.94,2644.87 SW35.1@3119.94,2814.79
NetD37_1: D37.1 SW36.1 | length 446.1
  Bottom Layer w6: D37.1@2193.8,2453 2206.55,2465.75 2206.55,2497.49 2377.94,2668.87 SW36.1@2377.94,2822.79
NetD38_1: D38.1 SW37.1 | length 767.2
  Bottom Layer w6: SW37.1@958.96,-1732.62 1138.21,-1732.62 1145.42,-1725.41 1282.25,-1725.41 1334.24,-1777.4 1458.74,-1777.4 1539.4,-1696.74 1539.4,-1660.88 1587.65,-1612.63 D38.1@1612.4,-1612.63
NetD39_1: D39.1 SW38.1 | length 834.8
  Bottom Layer w6: SW38.1@653.49,-1046.76 818.67,-1046.76 1050.37,-815.06 1150.83,-815.06 1231.25,-895.49 1231.25,-934.87 1244.86,-948.48 1244.86,-987.86 1241.35,-991.37 D39.1@1216.6,-991.37
NetD40_1: D40.1 SW39.1 | length 558.2
  Bottom Layer w6: SW39.1@331.49,-367.76 575.29,-367.76 657.68,-285.37 D40.1@855.6,-285.37
NetJ2_A5: J2.A5 R9.1 | length 69.4
  Top Layer w6: J2.A5@271,1184.37 303.28,1184.37 R9.1@329.5,1158.16
NetJ2_B5: J2.B5 R10.1 | length 72.9
  Top Layer w6: J2.B5@271,1066.26 308.39,1066.26 R10.1@333.5,1041.16
NetL1_1: L1.1 Q1.17 | length 82.7
  Top Layer w14: Q1.17@1053.29,3142.34 1053.29,3222.61 L1.1@1055,3224.31
NetL2_1: L2.1 R1.2 | length 28.1
  Top Layer w14: R1.2@1055,3381.15 L2.1@1055,3406.06 ; L2.1@1055,3408.31 1055,3406.56 L2.1@1055.5,3406.06 ; R1.2@1055.5,3381.15 R1.2@1056,3380.65
NetL5_1: L5.1 Q1.38
NetL6_2: L6.2 R5.1 | length 1038.9
  Top Layer w6: R5.1@674,2907.5 659.28,2892.79 647.72,2892.79 643.46,2888.54 643.46,2773.56 653.46,2763.56 653.46,2582.44 643.36,2572.34 643.36,2520.07 738.84,2424.59 775.82,2424.59 784.03,2416.38 833.32,2416.38 844.32,2405.38 869.15,2405.38 870.77,2407 987.03,2407 997.62,2417.6 997.62,2471.65 1027.35,2501.38 1062.27,2501.38 1103.12,2542.23 1103.12,2568.8 1102.32,2569.6 L6.2@1102.32,2570
NetL7_1: L7.1 Q2.16 | length 150.7
  Top Layer w20: L7.1@945,1742.39 988.31,1742.39 997.99,1732.7 997.99,1671.88 1021.23,1648.65
NetL8_2: L8.2 Q2.20 | length 214.8
  Top Layer w20: L8.2@833,1495.3 957.17,1495.3 1021.23,1559.35
NetLED1_A: LED1.A R8.2 | length 71.2
  Top Layer w6: R8.2@380,1680 380.25,1679.75 450.75,1679.75 LED1.A@451,1679.5
NetLED4_A: LED4.A R18.2 | length 112.1
  Top Layer w6: LED4.A@1121.5,1912 1121.5,1909.36 1135,1895.87 R18.2@1135,1805.5
NetLED5_1-DO: LED5.1-DO LED6.3-DI | length 934.5
  Top Layer w6: LED6.3-DI@5116.91,-478.2 5156.22,-517.5 5161.39,-517.5 5172.17,-528.28 5258.53,-528.28 5292.75,-562.5 5846.83,-562.5 5910,-625.67 5910,-641.53 5934.72,-666.25 LED5.1-DO@5934.72,-695.72
NetLED5_3-DI: LED5.3-DI LED.1-DO | length 940.9
  Top Layer w6: LED5.3-DI@5859.91,-620.91 5874.63,-635.63 5874.63,-639.73 5910,-675.1 5910,-716.33 5914.1,-720.43 6368.37,-720.43 6371.94,-724 v2(6376,-724) ; v2(6458,-757) 6613.8,-757 LED.1-DO@6687.4,-683.4
  Bottom Layer w6: v2(6376,-724) 6425,-724 v2(6458,-757)
NetLED6_1-DO: LED6.1-DO LED7.3-DI | length 876.2
  Top Layer w6: LED7.3-DI@4364.6,-434.6 4414.68,-484.68 4980.93,-484.68 5023.75,-527.5 5157.25,-527.5 5168.03,-538.28 5177,-538.28 LED6.1-DO@5191.72,-553
NetLED7_1-DO: LED7.1-DO LED8.3-DI | length 867.1
  Top Layer w6: LED8.3-DI@3605.91,-477.71 3635.38,-477.71 3660.1,-453 4021.55,-453 4027.87,-459.32 4359.84,-459.32 4395.21,-494.68 4424.68,-494.68 LED7.1-DO@4439.4,-509.4
NetLED8_1-DO: LED8.1-DO LED9.3-DI | length 1447.5
  Top Layer w6: LED9.3-DI@2463.6,-1024.6 2493.07,-1024.6 2540.17,-977.5 2792.25,-977.5 3259.23,-510.52 3638.72,-510.52 LED8.1-DO@3680.72,-552.52
NetLED9_1-DO: LED9.1-DO LED10.3-DI | length 867.5
  Top Layer w6: LED10.3-DI@1788.6,-1284.6 1813.31,-1309.32 1960.94,-1309.32 2195.57,-1074.68 2484.21,-1074.68 2494.21,-1084.68 2523.68,-1084.68 LED9.1-DO@2538.4,-1099.4
NetLED10_1-DO: LED10.1-DO LED11.3-DI | length 606.9
  Top Layer w6: LED11.3-DI@1454.6,-1692.6 1481.31,-1692.6 1507.39,-1666.53 1612.82,-1666.53 1621.79,-1675.5 1637.25,-1675.5 1863.4,-1449.35 LED10.1-DO@1863.4,-1359.4
NetLED11_1-DO: LED11.1-DO LED19.3-DI | length 1460.3
  Top Layer w6: LED19.3-DI@1106.6,-1005.6 1141.05,-1040.05 1141.05,-1085.38 1262.43,-1206.76 1651.28,-1206.76 1779.21,-1334.68 1809.21,-1334.68 1813.31,-1338.79 1813.31,-1454.69 v2(1750,-1518) ; LED11.1-DO@1529.4,-1767.4 1535,-1773 v2(1589,-1773)
  Bottom Layer w6: v2(1589,-1773) 1727.56,-1634.44 1727.56,-1540.44 v2(1750,-1518)
NetLED12_1-DO: LED12.1-DO LED20.3-DI | length 1107.7
  Top Layer w6: LED20.3-DI@6800.59,865.94 6830.06,865.94 6854.78,890.65 6896.01,890.65 6969.39,817.28 6969.39,772.06 7027.24,714.21 7058.99,714.21 7078.62,694.58 7078.62,283.37 6984.87,189.62 6984.87,175.07 LED12.1-DO@6876.4,66.6
NetLED12_3-DI: LED12.3-DI LED13.1-DO | length 962.6
  Top Layer w6: LED13.1-DO@5858.6,139.4 5888.07,139.4 5912.79,164.12 6778.88,164.12 LED12.3-DI@6801.6,141.4
NetLED13_3-DI: LED13.3-DI LED14.1-DO | length 803.8
  Top Layer w6: LED14.1-DO@5187.06,203.34 5201.78,188.63 5216.63,188.63 5290.57,114.68 5883.31,114.68 LED13.3-DI@5933.4,64.6
NetLED14_3-DI: LED14.3-DI LED15.1-DO | length 688.1
  Top Layer w6: LED15.1-DO@4436.4,248.6 5082.71,248.6 LED14.3-DI@5112.26,278.15
NetLED15_3-DI: LED15.3-DI LED16.1-DO | length 719.2
  Top Layer w6: LED16.1-DO@3701.95,195.39 3859.86,195.39 3867.75,187.5 4182.25,187.5 4318.15,323.4 LED15.3-DI@4361.6,323.4
NetLED16_3-DI: LED16.3-DI LED17.1-DO | length 777.3
  Top Layer w6: LED17.1-DO@2871.08,218.84 2900.55,218.84 2951.91,270.2 LED16.3-DI@3627.15,270.2
NetLED17_3-DI: LED17.3-DI LED18.1-DO | length 1359.9
  Top Layer w6: LED18.1-DO@2185.35,338.3 2151.65,372 2143.05,372 2139.44,368.39 2095.3,368.39 2055.5,328.59 2055.5,178.75 2159.49,74.76 2304.99,74.76 2408.99,-29.24 2743.14,-29.24 2916.42,144.04 LED17.3-DI@2945.89,144.04
NetLED18_3-DI: LED18.3-DI LED19.1-DO | length 1917.2
  Top Layer w6: LED19.1-DO@1181.4,-1080.4 1368.84,-892.97 1385.78,-892.97 1984.5,-294.25 1984.5,336.39 2061.22,413.11 LED18.3-DI@2110.54,413.11
NetLED20_1-DO: LED20.1-DO LED21.3-DI | length 1074.3
  Top Layer w6: LED21.3-DI@5848.6,856.4 5878.07,856.4 5902.79,881.12 6344.1,881.12 6395.22,830 6836.53,830 LED20.1-DO@6875.4,791.13
NetLED21_1-DO: LED21.1-DO LED22.3-DI | length 888.4
  Top Layer w6: LED22.3-DI@5118.6,983.4 5168.68,933.31 5576.43,933.31 5702.06,807.69 5867.84,807.69 5893.93,781.6 LED21.1-DO@5923.4,781.6
NetLED22_1-DO: LED22.1-DO LED23.3-DI | length 895.9
  Top Layer w6: LED23.3-DI@4366.6,1075.4 4416.68,1025.31 4954.43,1025.31 5021.06,958.69 5113.84,958.69 5163.93,908.6 LED22.1-DO@5193.4,908.6
NetLED23_1-DO: LED23.1-DO LED24.3-DI | length 864
  Top Layer w6: LED24.3-DI@3610.6,1019.4 3635.31,994.69 4010.68,994.69 4041.31,1025.31 4387.21,1025.31 4411.93,1000.6 LED23.1-DO@4441.4,1000.6
NetLED24_1-DO: LED24.1-DO LED25.3-DI | length 867.7
  Top Layer w6: LED25.3-DI@2858.6,973.4 2888.07,973.4 2923.97,937.5 3507.25,937.5 3542.25,972.5 3657.5,972.5 LED24.1-DO@3685.4,944.6
NetLED25_1-DO: LED25.1-DO LED26.3-DI | length 2197.2
  Top Layer w6: LED26.3-DI@1314.6,-276.6 1349.31,-311.32 1414.16,-311.32 1903.47,178 v2(1967,178) ; v2(2073,186) 2075,184 2095.87,184 2201.46,289.59 2215.9,289.59 2234.06,307.75 2234.06,322.19 2284.37,372.5 2342.25,372.5 2610,640.25 2610,674.04 2722.62,786.66 2722.62,807.95 2837.98,923.31 2879.21,923.31 2903.93,898.6 LED25.1-DO@2933.4,898.6
  Bottom Layer w6: v2(1967,178) 2060.94,178 2068.94,186 v2(2073,186)
NetLED26_1-DO: LED26.1-DO LED27.3-DI | length 690.5
  Top Layer w6: LED27.3-DI@793.72,-309.41 823.2,-309.41 857.24,-275.37 1080.36,-275.37 1181.11,-376.12 1258.69,-376.12 1289.88,-344.93 1289.88,-330.79 1293.98,-326.68 1335.21,-326.68 1359.93,-351.4 LED26.1-DO@1389.4,-351.4
NetLED27_1-DO: LED27.1-DO LED34.3-DI | length 3038.8
  Top Layer w6: LED27.1-DO@868.53,-384.22 839.06,-384.22 811.96,-357.12 796.1,-357.12 748.49,-309.51 748.49,-304.54 814.13,-238.89 1070.86,-238.89 1136.86,-172.88 1136.86,-9.61 1369.29,222.81 1512.22,222.81 1768.5,479.09 v2(1768.5,1555) ; v2(1874,1549) 1919,1549 v2(1920,1548) ; v2(2072,1562) 2074.87,1559.13 2081.87,1559.13 LED34.3-DI@2112.6,1528.4
  Bottom Layer w6: v2(1768.5,1555) 1868,1555 v2(1874,1549) ; v2(1920,1548) 2058,1548 v2(2072,1562)
NetLED28_1-DO: LED28.1-DO LED35.3-DI | length 904.2
  Top Layer w6: LED28.1-DO@6877.4,1566.6 6911.35,1566.6 7042.5,1697.75 7042.5,2150.5 LED35.3-DI@6878.4,2314.6
NetLED28_3-DI: LED28.3-DI LED29.1-DO | length 888.1
  Top Layer w6: LED29.1-DO@5948.4,1559.6 6012.8,1624 6600.14,1624 6617.54,1641.4 LED28.3-DI@6802.6,1641.4
NetLED29_3-DI: LED29.3-DI LED30.1-DO | length 838.8
  Top Layer w6: LED30.1-DO@5111.76,1770.71 5141.23,1770.71 5165.95,1795.43 5712.57,1795.43 LED29.3-DI@5873.6,1634.4
NetLED30_3-DI: LED30.3-DI LED31.1-DO | length 850.2
  Top Layer w6: LED31.1-DO@4448.4,1757.6 4825.4,1757.6 v2(4843,1740) ; v2(4899,1653) 4916,1636 5126.65,1636 LED30.3-DI@5186.56,1695.91
  Bottom Layer w6: v2(4843,1740) 4874.85,1740 4899,1715.85 v2(4899,1653)
NetLED31_3-DI: LED31.3-DI LED32.1-DO | length 749.3
  Top Layer w6: LED32.1-DO@3689.62,1700.28 3786.9,1700.28 3799.68,1687.5 4006.83,1687.5 4151.73,1832.4 LED31.3-DI@4373.6,1832.4
NetLED32_3-DI: LED32.3-DI LED33.1-DO | length 714.7
  Top Layer w6: LED33.1-DO@2951.82,1650.2 3220.87,1650.2 3345.76,1775.09 LED32.3-DI@3614.81,1775.09